# KiCad board coils_12_35_10_8_layer.kicad_pcb (continued)
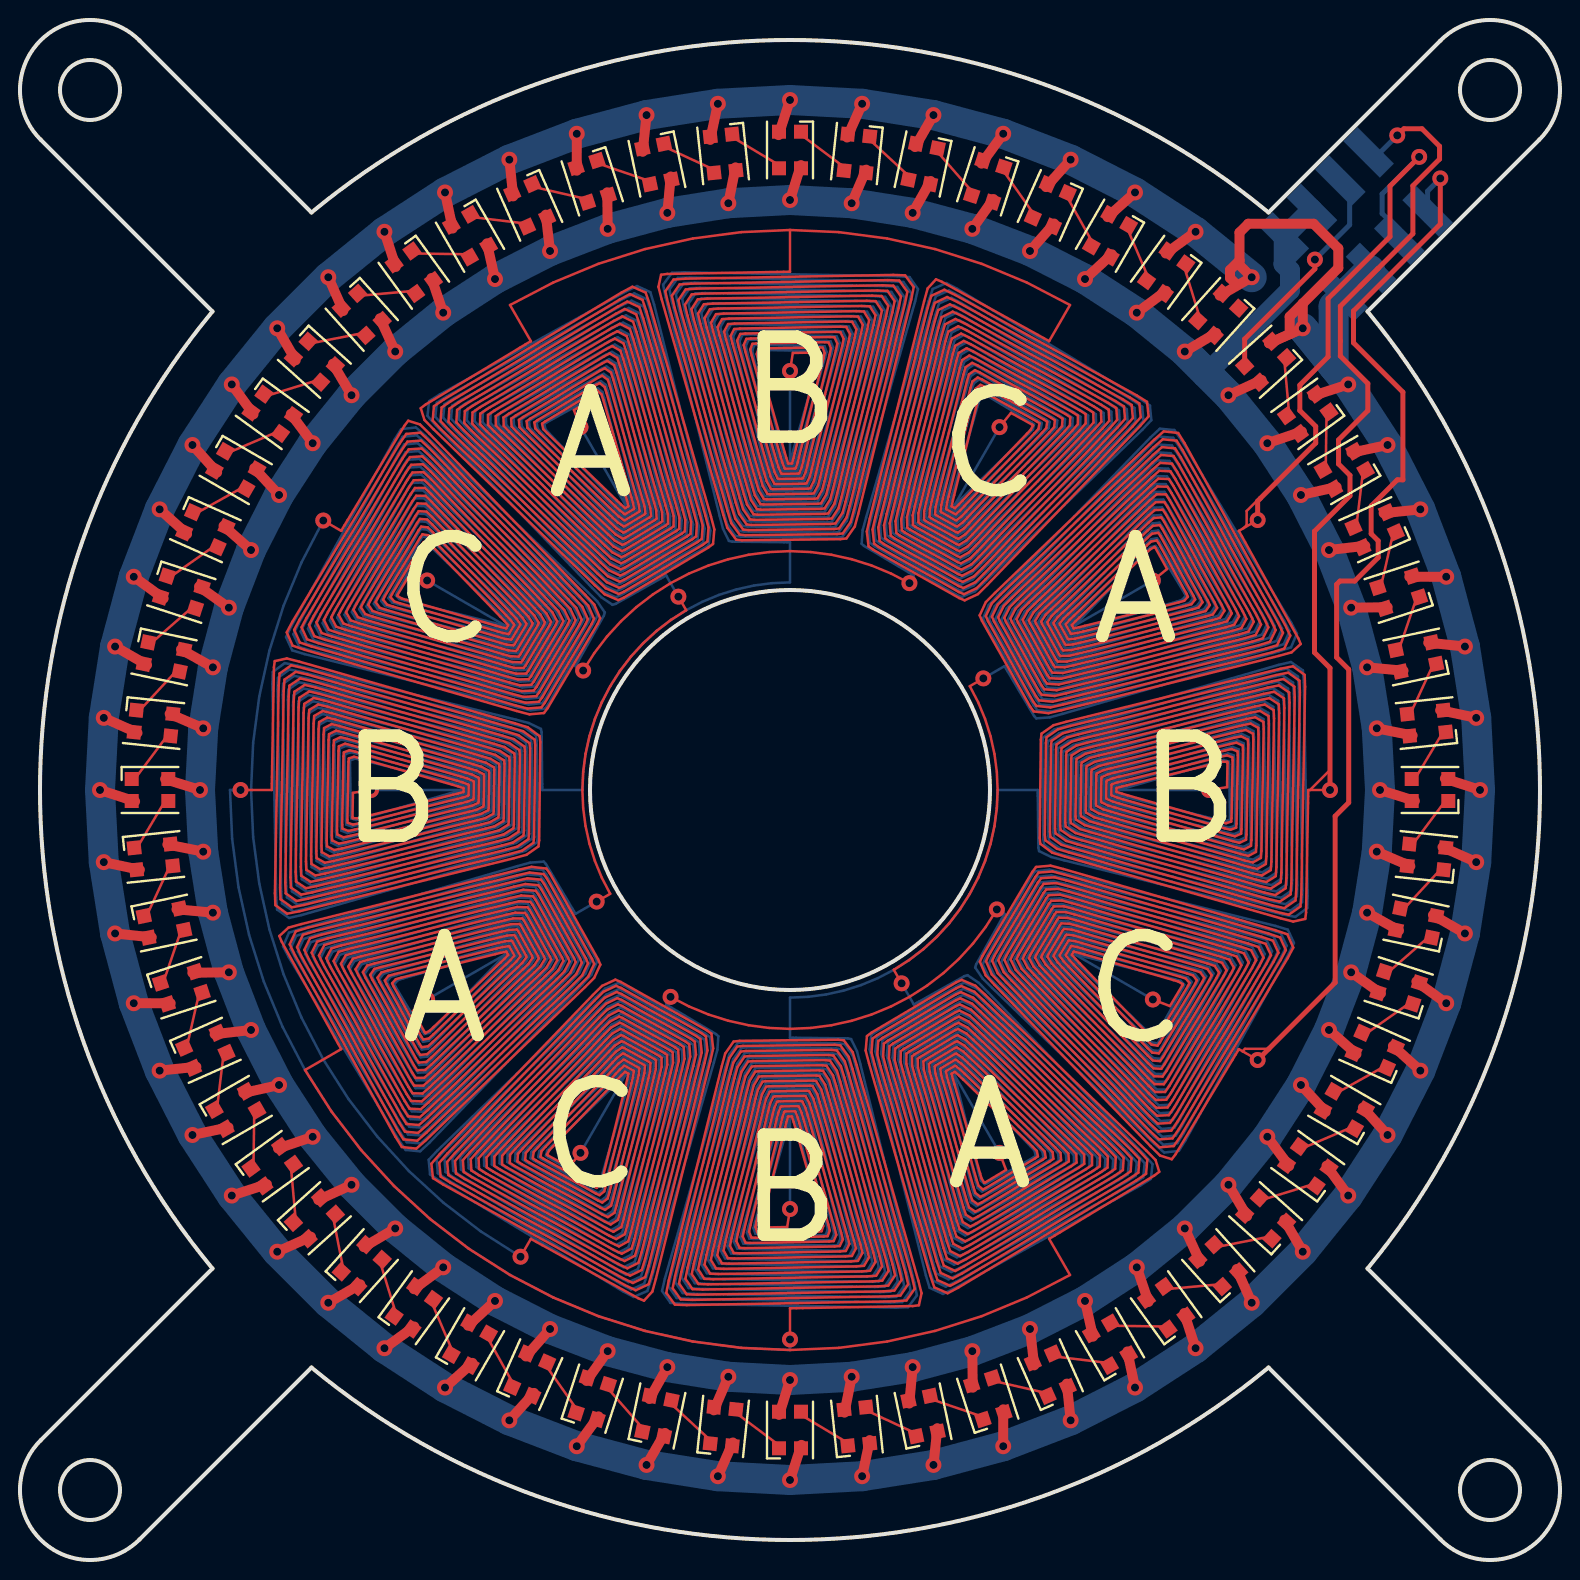
[diagram p0: board, top side]
## Routing (per net, layer and track width the routed paths; a pad name or vN(x,y) marks a point on that pad's centre or on a via; arc(x,y) is an arc through that point)
GND: length 351
  Top w0.5: 60.84,14.55 v1(61.59,12.86) ; 71.13,35.65 v1(72.81,34.89) ; 60.97,64.97 60.5,64.5 60.5,64.1 60.79,63.81 ; 60.97,64.97 60.97,64.75 v1(61.59,64.14) 59.99,63.22 ; 60.97,64.97 60.97,66.37 61.41,66.81 64.68,66.81 65.92,65.58 65.92,64.6 64.16,62.84 ; 6.35,44.75 v1(4.75,45.67) ; 71.25,39.07 v1(73,38.5) ; 34.51,71.01 v1(34.89,72.81) ; 22.62,9.86 v1(21.25,8.62) ; 25.7,8.35 v1(24.47,6.98) ; 63.48,61.29 63.48,62.17 64.16,62.84 ; 63.48,61.29 62.45,60.84 v1(64.14,61.59) ; 63.48,61.29 v1(64.14,61.59) ; 52.34,8.82 v1(52.53,6.98) ; 6.59,31.13 v1(4.75,31.33) ; 37.93,71.25 v1(38.5,73) ; 70.41,45.87 v1(72.25,45.67) ; 10.43,21.63 v1(8.62,21.25) ; 70.65,32.25 v1(72.25,31.33) ; 9.86,54.38 v1(8.62,55.75) ; 32.25,6.35 v1(31.33,4.75) ; 71.01,42.49 v1(72.81,42.11) ; v1(64.14,61.59) 64.14,62.82 64.16,62.84 ; 5.75,37.93 v1(4,38.5) ; 69.82,28.92 v1(71.31,27.84) ; 8.82,24.66 v1(6.98,24.47) ; 68.65,25.7 v1(70.02,24.47) ; 44.75,70.65 v1(45.67,72.25) ; 35.65,5.87 v1(34.89,4.19) ; 48.08,69.82 v1(49.16,71.31) ; 16.16,62.45 v1(15.41,64.14) ; 11.67,57.28 v1(10.59,58.78) ; 17.01,13.78 v1(15.41,12.86) ; 55.37,10.43 v1(55.75,8.62) ; 41.35,71.13 v1(42.11,72.81) ; 49.16,7.53 v1(49.16,5.69) ; 5.87,41.35 v1(4.19,42.11) ; 67.14,22.62 v1(68.38,21.25) ; 45.87,6.59 v1(45.67,4.75) ; 54.38,67.14 v1(55.75,68.38) ; 31.13,70.41 v1(31.33,72.25) ; 5.99,34.51 v1(4.19,34.89) ; 63.22,17.01 v1(64.14,15.41) ; 42.49,5.99 v1(42.11,4.19) ; 28.92,7.18 v1(27.84,5.69) ; 19.72,11.67 v1(18.22,10.59) ; 57.28,65.33 v1(58.78,66.41) ; 13.78,59.99 v1(12.86,61.59) ; 51.3,68.65 v1(52.53,70.02) ; 58.21,12.34 v1(58.78,10.59) ; 7.53,27.84 v1(5.69,27.84) ; 39.07,5.75 v1(38.5,4) ; 27.84,69.47 v1(27.84,71.31) ; 14.55,16.16 v1(12.86,15.41) ; 8.35,51.3 v1(6.98,52.53) ; 66.57,55.37 v1(68.38,55.75) ; 64.66,58.21 v1(66.41,58.78) ; 21.63,66.57 v1(21.25,68.38) ; 65.33,19.72 v1(66.41,18.22) ; 24.66,68.18 v1(24.47,70.02) ; 68.18,52.34 v1(70.02,52.53) ; 12.34,18.79 v1(10.59,18.22) ; 18.79,64.66 v1(18.22,66.41) ; 7.18,48.08 v1(5.69,49.16) ; 69.47,49.16 v1(71.31,49.16)
  Bottom w1.5: v1(66.41,58.78) v1(68.38,55.75) v1(70.02,52.53) v1(71.31,49.16) v1(72.25,45.67) v1(72.81,42.11) v1(73,38.5) v1(72.81,34.89) v1(72.25,31.33) v1(71.31,27.84) v1(70.02,24.47) v1(68.38,21.25) v1(66.41,18.22) v1(64.14,15.41) v1(61.59,12.86) v1(58.78,10.59) v1(55.75,8.62) v1(52.53,6.98) v1(49.16,5.69) v1(45.67,4.75) v1(42.11,4.19) v1(38.5,4) v1(34.89,4.19) v1(31.33,4.75) v1(27.84,5.69) v1(24.47,6.98) v1(21.25,8.62) v1(18.22,10.59) v1(15.41,12.86) v1(12.86,15.41) v1(10.59,18.22) v1(8.62,21.25) v1(6.98,24.47) v1(5.69,27.84) v1(4.75,31.33) v1(4.19,34.89) v1(4,38.5) v1(4.19,42.11) v1(4.75,45.67) v1(5.69,49.16) v1(6.98,52.53) v1(8.62,55.75) v1(10.59,58.78) v1(12.86,61.59) v1(15.41,64.14) v1(18.22,66.41) v1(21.25,68.38) v1(24.47,70.02) v1(27.84,71.31) v1(31.33,72.25) v1(34.89,72.81) v1(38.5,73) v1(42.11,72.81) v1(45.67,72.25) v1(49.16,71.31) v1(52.53,70.02) v1(55.75,68.38) v1(58.78,66.41) v1(61.59,64.14) ; v1(66.41,58.78) 65.68,59.68 ; v1(66.41,58.78) v1(64.14,61.59) 65.68,59.68 ; 65.68,59.68 65.68,62.68 67.5,64.5
coils: length 47642.8
  Top w0.127: v1(25.03,15.16) 25.54,16.06 30.91,13.09 31.2,12.97 31.62,13.42 31.79,14.05 34.51,24.93 34.66,25.58 34.57,26.32 34.33,26.49 30.04,28.9 29.77,29.02 29.11,28.71 28.64,28.25 20.99,20.3 20.57,19.81 20.65,19.09 21.16,18.77 30.24,13.75 30.78,13.49 31.43,13.79 31.61,14.39 34.23,24.85 34.37,25.48 34.29,26.18 34.07,26.35 30.06,28.6 29.8,28.71 29.17,28.41 28.73,27.97 21.37,20.32 20.96,19.86 21.03,19.17 21.52,18.87 30.13,14.1 30.64,13.85 31.26,14.15 31.44,14.72 33.95,24.78 34.09,25.37 34.02,26.05 33.81,26.2 30.07,28.3 29.83,28.4 29.23,28.11 28.81,27.69 21.75,20.35 21.36,19.9 21.42,19.25 21.87,18.96 30.02,14.45 30.5,14.22 31.09,14.5 31.26,15.05 33.67,24.7 33.8,25.27 33.74,25.91 33.55,26.06 30.09,28 29.86,28.09 29.3,27.81 28.89,27.4 22.12,20.37 21.75,19.95 21.8,19.32 22.23,19.05 29.91,14.8 30.36,14.58 30.92,14.86 31.08,15.39 33.39,24.62 33.51,25.17 33.46,25.78 33.28,25.91 30.1,27.7 29.9,27.79 29.36,27.51 28.97,27.12 22.5,20.4 22.14,19.99 22.18,19.4 22.59,19.14 29.8,15.16 30.23,14.95 30.75,15.22 30.9,15.72 33.11,24.54 33.23,25.06 33.19,25.65 33.02,25.77 30.12,27.4 29.93,27.48 29.42,27.21 29.05,26.84 22.88,20.43 22.54,20.04 22.57,19.48 22.94,19.24 29.69,15.51 30.09,15.31 30.58,15.57 30.72,16.06 32.82,24.46 32.94,24.96 32.91,25.51 32.76,25.62 30.13,27.1 29.96,27.17 29.49,26.91 29.13,26.56 23.26,20.45 22.93,20.08 22.95,19.55 23.3,19.33 29.57,15.86 29.95,15.68 30.41,15.93 30.54,16.39 32.54,24.39 32.65,24.86 32.63,25.38 32.5,25.48 30.15,26.8 29.99,26.86 29.55,26.61 29.21,26.28 23.63,20.48 23.32,20.13 23.34,19.63 23.66,19.42 29.46,16.21 29.81,16.05 30.24,16.29 30.37,16.72 32.26,24.31 32.37,24.76 32.36,25.24 32.24,25.33 30.16,26.5 30.02,26.56 29.61,26.32 29.3,26 24.01,20.51 23.72,20.17 23.72,19.7 24.02,19.51 29.35,16.56 29.67,16.41 30.07,16.65 30.19,17.06 31.98,24.23 32.08,24.65 32.08,25.11 31.98,25.19 30.17,26.2 30.05,26.25 29.68,26.02 29.38,25.72 24.39,20.53 24.11,20.22 24.1,19.78 24.37,19.61 29.24,16.91 29.53,16.78 29.89,17 30.01,17.39 31.7,24.15 31.79,24.55 31.8,24.97 31.72,25.05 30.19,25.9 30.08,25.94 29.74,25.72 29.46,25.43 24.77,20.56 24.5,20.26 24.49,19.86 24.73,19.7 29.13,17.27 29.39,17.14 29.72,17.36 29.83,17.73 31.42,24.07 31.51,24.45 31.53,24.84 31.46,24.9 30.2,25.61 30.12,25.63 29.8,25.42 29.54,25.15 25.14,20.58 24.9,20.31 24.87,19.93 25.09,19.79 29.02,17.62 29.25,17.51 29.55,17.72 29.65,18.06 31.14,24 31.22,24.35 31.25,24.71 31.2,24.76 30.22,25.31 30.15,25.33 29.87,25.12 29.62,24.87 25.52,20.61 25.29,20.35 25.26,20.01 25.45,19.88 28.91,17.97 29.11,17.87 29.38,18.08 29.47,18.39 30.86,23.92 30.93,24.24 30.97,24.57 30.93,24.61 30.23,25.01 30.18,25.02 29.93,24.82 29.7,24.59 25.9,20.64 25.68,20.4 25.64,20.09 25.8,19.98 28.79,18.32 28.97,18.24 29.21,18.43 29.3,18.73 30.57,23.84 30.65,24.14 30.69,24.44 30.67,24.47 30.25,24.71 30.21,24.71 29.99,24.52 29.78,24.31 26.28,20.66 26.08,20.44 26.02,20.16 26.16,20.07 28.68,18.67 28.84,18.61 29.04,18.79 29.12,19.06 30.29,23.76 30.36,24.04 30.42,24.3 30.41,24.32 30.26,24.41 30.24,24.4 30.06,24.22 29.87,24.03 26.65,20.69 26.47,20.49 26.35,20.27 26.4,20.23 27.45,19.65 v1(28.03,20.36) ; v1(20.36,48.98) 19.5,49.3 18.88,48.27 18.86,48.21 19.08,48.08 19.33,48 23.79,46.72 24.05,46.64 24.3,46.58 24.32,46.58 24.41,46.73 24.4,46.75 24.22,46.96 24.02,47.16 20.66,50.64 20.45,50.84 20.18,50.9 20.09,50.76 18.6,48.29 18.53,48.14 18.71,47.93 18.99,47.84 23.86,46.43 24.14,46.35 24.43,46.3 24.46,46.32 24.71,46.74 24.71,46.78 24.52,47.01 24.31,47.23 20.64,51.02 20.42,51.23 20.12,51.28 20.01,51.12 18.24,48.19 18.16,48.02 18.35,47.77 18.65,47.67 23.93,46.15 24.24,46.06 24.55,46.02 24.59,46.05 25,46.75 25.02,46.8 24.82,47.06 24.59,47.31 20.63,51.4 20.39,51.63 20.06,51.67 19.93,51.48 17.89,48.09 17.78,47.89 17.99,47.61 18.31,47.5 24,45.86 24.33,45.77 24.68,45.73 24.73,45.79 25.3,46.75 25.32,46.82 25.12,47.12 24.87,47.38 20.62,51.78 20.36,52.02 20,52.06 19.85,51.84 17.53,48 17.41,47.76 17.62,47.45 17.97,47.34 24.07,45.58 24.43,45.48 24.81,45.45 24.87,45.52 25.6,46.76 25.63,46.84 25.42,47.17 25.15,47.45 20.6,52.16 20.33,52.42 19.93,52.44 19.77,52.2 17.18,47.9 17.04,47.64 17.26,47.3 17.63,47.17 24.14,45.29 24.52,45.19 24.93,45.17 25,45.25 25.9,46.76 25.94,46.87 25.72,47.23 25.44,47.53 20.59,52.53 20.3,52.81 19.87,52.83 19.69,52.56 16.82,47.8 16.67,47.51 16.9,47.14 17.29,47.01 24.21,45.01 24.62,44.9 25.06,44.89 25.14,44.99 26.2,46.77 26.24,46.89 26.02,47.28 25.72,47.6 20.58,52.91 20.27,53.21 19.81,53.21 19.61,52.92 16.46,47.7 16.3,47.39 16.53,46.98 16.95,46.84 24.28,44.73 24.71,44.61 25.18,44.6 25.28,44.72 26.5,46.77 26.55,46.91 26.32,47.34 26,47.67 20.57,53.29 20.24,53.6 19.75,53.6 19.53,53.28 16.11,47.6 15.93,47.26 16.17,46.82 16.61,46.67 24.35,44.44 24.81,44.32 25.31,44.32 25.42,44.45 26.79,46.78 26.86,46.93 26.62,47.39 26.28,47.74 20.55,53.67 20.21,54 19.68,53.99 19.45,53.64 15.75,47.5 15.56,47.14 15.81,46.66 16.27,46.51 24.42,44.16 24.9,44.03 25.44,44.04 25.55,44.19 27.09,46.78 27.16,46.95 26.92,47.44 26.57,47.82 20.54,54.05 20.18,54.39 19.62,54.37 19.37,54 15.4,47.4 15.19,47.01 15.45,46.51 15.93,46.34 24.49,43.87 24.99,43.74 25.56,43.76 25.69,43.92 27.39,46.79 27.47,46.98 27.21,47.5 26.85,47.89 20.53,54.43 20.15,54.79 19.56,54.76 19.29,54.37 15.04,47.31 14.82,46.88 15.08,46.35 15.59,46.17 24.56,43.59 25.09,43.45 25.69,43.48 25.83,43.65 27.69,46.79 27.78,47 27.51,47.55 27.13,47.96 20.52,54.8 20.12,55.18 19.5,55.15 19.21,54.73 14.69,47.21 14.45,46.76 14.72,46.19 15.25,46.01 24.63,43.3 25.18,43.15 25.82,43.19 25.97,43.39 27.99,46.8 28.09,47.02 27.81,47.61 27.41,48.04 20.5,55.18 20.08,55.58 19.43,55.53 19.13,55.09 14.33,47.11 14.08,46.63 14.36,46.03 14.91,45.84 24.7,43.02 25.28,42.86 25.94,42.91 26.1,43.12 28.29,46.8 28.39,47.04 28.11,47.66 27.7,48.11 20.49,55.56 20.05,55.97 19.37,55.92 19.05,55.45 13.97,47.01 13.71,46.51 13.99,45.87 14.57,45.68 24.77,42.73 25.37,42.57 26.07,42.63 26.24,42.85 28.58,46.81 28.7,47.06 28.41,47.72 27.98,48.18 20.48,55.94 20.02,56.37 19.31,56.3 18.97,55.81 13.62,46.91 13.34,46.38 13.63,45.72 14.23,45.51 24.84,42.45 25.47,42.28 26.2,42.35 26.38,42.59 28.88,46.81 29.01,47.09 28.71,47.77 28.26,48.26 20.47,56.32 20,56.78 19.41,56.96 19.22,56.71 16.06,51.46 v1(15.16,51.97) ; 62.02,53.08 61.96,53.08 61.33,52.45 61.33,51.74 61.19,51.6 ; v1(20.36,28.03) 19.65,27.45 20.23,26.4 20.27,26.35 20.49,26.47 20.69,26.65 24.03,29.87 24.22,30.06 24.4,30.24 24.41,30.26 24.32,30.41 24.3,30.42 24.04,30.36 23.76,30.29 19.06,29.12 18.79,29.04 18.61,28.84 18.67,28.68 20.07,26.16 20.16,26.02 20.44,26.08 20.66,26.28 24.31,29.78 24.52,29.99 24.71,30.21 24.71,30.25 24.47,30.67 24.44,30.69 24.14,30.65 23.84,30.57 18.73,29.3 18.43,29.21 18.24,28.97 18.32,28.79 19.98,25.8 20.09,25.64 20.4,25.68 20.64,25.9 24.59,29.7 24.82,29.93 25.02,30.18 25.01,30.23 24.61,30.93 24.57,30.97 24.24,30.93 23.92,30.86 18.39,29.47 18.08,29.38 17.87,29.11 17.97,28.91 19.88,25.45 20.01,25.26 20.35,25.29 20.61,25.52 24.87,29.62 25.12,29.87 25.33,30.15 25.31,30.22 24.76,31.2 24.71,31.25 24.35,31.22 24,31.14 18.06,29.65 17.72,29.55 17.51,29.25 17.62,29.02 19.79,25.09 19.93,24.87 20.31,24.9 20.58,25.14 25.15,29.54 25.42,29.8 25.63,30.12 25.61,30.2 24.9,31.46 24.84,31.53 24.45,31.51 24.07,31.42 17.73,29.83 17.36,29.72 17.14,29.39 17.27,29.13 19.7,24.73 19.86,24.49 20.26,24.5 20.56,24.77 25.43,29.46 25.72,29.74 25.94,30.08 25.9,30.19 25.05,31.72 24.97,31.8 24.55,31.79 24.15,31.7 17.39,30.01 17,29.89 16.78,29.53 16.91,29.24 19.61,24.37 19.78,24.1 20.22,24.11 20.53,24.39 25.72,29.38 26.02,29.68 26.25,30.05 26.2,30.17 25.19,31.98 25.11,32.08 24.65,32.08 24.23,31.98 17.06,30.19 16.65,30.07 16.41,29.67 16.56,29.35 19.51,24.02 19.7,23.72 20.17,23.72 20.51,24.01 26,29.3 26.32,29.61 26.56,30.02 26.5,30.16 25.33,32.24 25.24,32.36 24.76,32.37 24.31,32.26 16.72,30.37 16.29,30.24 16.05,29.81 16.21,29.46 19.42,23.66 19.63,23.34 20.13,23.32 20.48,23.63 26.28,29.21 26.61,29.55 26.86,29.99 26.8,30.15 25.48,32.5 25.38,32.63 24.86,32.65 24.39,32.54 16.39,30.54 15.93,30.41 15.68,29.95 15.86,29.57 19.33,23.3 19.55,22.95 20.08,22.93 20.45,23.26 26.56,29.13 26.91,29.49 27.17,29.96 27.1,30.13 25.62,32.76 25.51,32.91 24.96,32.94 24.46,32.82 16.06,30.72 15.57,30.58 15.31,30.09 15.51,29.69 19.24,22.94 19.48,22.57 20.04,22.54 20.43,22.88 26.84,29.05 27.21,29.42 27.48,29.93 27.4,30.12 25.77,33.02 25.65,33.19 25.06,33.23 24.54,33.11 15.72,30.9 15.22,30.75 14.95,30.23 15.16,29.8 19.14,22.59 19.4,22.18 19.99,22.14 20.4,22.5 27.12,28.97 27.51,29.36 27.79,29.9 27.7,30.1 25.91,33.28 25.78,33.46 25.17,33.51 24.62,33.39 15.39,31.08 14.86,30.92 14.58,30.36 14.8,29.91 19.05,22.23 19.32,21.8 19.95,21.75 20.37,22.12 27.4,28.89 27.81,29.3 28.09,29.86 28,30.09 26.06,33.55 25.91,33.74 25.27,33.8 24.7,33.67 15.05,31.26 14.5,31.09 14.22,30.5 14.45,30.02 18.96,21.87 19.25,21.42 19.9,21.36 20.35,21.75 27.69,28.81 28.11,29.23 28.4,29.83 28.3,30.07 26.2,33.81 26.05,34.02 25.37,34.09 24.78,33.95 14.72,31.44 14.15,31.26 13.85,30.64 14.1,30.13 18.87,21.52 19.17,21.03 19.86,20.96 20.32,21.37 27.97,28.73 28.41,29.17 28.71,29.8 28.6,30.06 26.35,34.07 26.18,34.29 25.48,34.37 24.85,34.23 14.39,31.61 13.79,31.43 13.49,30.78 13.75,30.24 18.77,21.16 19.09,20.65 19.81,20.57 20.3,20.99 28.25,28.64 28.71,29.11 29.02,29.77 28.9,30.04 26.49,34.33 26.32,34.57 25.58,34.66 24.93,34.51 14.05,31.79 13.42,31.62 12.97,31.2 13.09,30.91 16.06,25.54 14.25,24.5 15.56,22.44 17.05,20.5 18.7,18.7 20.5,17.05 22.44,15.56 24.5,14.25 26.67,13.12 28.92,12.19 31.25,11.45 33.64,10.93 36.06,10.61 38.5,10.5 40.94,10.61 43.36,10.93 45.75,11.45 48.08,12.19 50.33,13.12 52.5,14.25 51.46,16.06 56.71,19.22 56.96,19.41 56.78,20 56.32,20.47 48.26,28.26 47.77,28.71 47.09,29.01 46.81,28.88 42.59,26.38 42.35,26.2 42.28,25.47 42.45,24.84 45.51,14.23 45.72,13.63 46.38,13.34 46.91,13.62 55.81,18.97 56.3,19.31 56.37,20.02 55.94,20.48 48.18,27.98 47.72,28.41 47.06,28.7 46.81,28.58 42.85,26.24 42.63,26.07 42.57,25.37 42.73,24.77 45.68,14.57 45.87,13.99 46.51,13.71 47.01,13.97 55.45,19.05 55.92,19.37 55.97,20.05 55.56,20.49 48.11,27.7 47.66,28.11 47.04,28.39 46.8,28.29 43.12,26.1 42.91,25.94 42.86,25.28 43.02,24.7 45.84,14.91 46.03,14.36 46.63,14.08 47.11,14.33 55.09,19.13 55.53,19.43 55.58,20.08 55.18,20.5 48.04,27.41 47.61,27.81 47.02,28.09 46.8,27.99 43.39,25.97 43.19,25.82 43.15,25.18 43.3,24.63 46.01,15.25 46.19,14.72 46.76,14.45 47.21,14.69 54.73,19.21 55.15,19.5 55.18,20.12 54.8,20.52 47.96,27.13 47.55,27.51 47,27.78 46.79,27.69 43.65,25.83 43.48,25.69 43.45,25.09 43.59,24.56 46.17,15.59 46.35,15.08 46.88,14.82 47.31,15.04 54.37,19.29 54.76,19.56 54.79,20.15 54.43,20.53 47.89,26.85 47.5,27.21 46.98,27.47 46.79,27.39 43.92,25.69 43.76,25.56 43.74,24.99 43.87,24.49 46.34,15.93 46.51,15.45 47.01,15.19 47.4,15.4 54,19.37 54.37,19.62 54.39,20.18 54.05,20.54 47.82,26.57 47.44,26.92 46.95,27.16 46.78,27.09 44.19,25.55 44.04,25.44 44.03,24.9 44.16,24.42 46.51,16.27 46.66,15.81 47.14,15.56 47.5,15.75 53.64,19.45 53.99,19.68 54,20.21 53.67,20.55 47.74,26.28 47.39,26.62 46.93,26.86 46.78,26.79 44.45,25.42 44.32,25.31 44.32,24.81 44.44,24.35 46.67,16.61 46.82,16.17 47.26,15.93 47.6,16.11 53.28,19.53 53.6,19.75 53.6,20.24 53.29,20.57 47.67,26 47.34,26.32 46.91,26.55 46.77,26.5 44.72,25.28 44.6,25.18 44.61,24.71 44.73,24.28 46.84,16.95 46.98,16.53 47.39,16.3 47.7,16.46 52.92,19.61 53.21,19.81 53.21,20.27 52.91,20.58 47.6,25.72 47.28,26.02 46.89,26.24 46.77,26.2 44.99,25.14 44.89,25.06 44.9,24.62 45.01,24.21 47.01,17.29 47.14,16.9 47.51,16.67 47.8,16.82 52.56,19.69 52.83,19.87 52.81,20.3 52.53,20.59 47.53,25.44 47.23,25.72 46.87,25.94 46.76,25.9 45.25,25 45.17,24.93 45.19,24.52 45.29,24.14 47.17,17.63 47.3,17.26 47.64,17.04 47.9,17.18 52.2,19.77 52.44,19.93 52.42,20.33 52.16,20.6 47.45,25.15 47.17,25.42 46.84,25.63 46.76,25.6 45.52,24.87 45.45,24.81 45.48,24.43 45.58,24.07 47.34,17.97 47.45,17.62 47.76,17.41 48,17.53 51.84,19.85 52.06,20 52.02,20.36 51.78,20.62 47.38,24.87 47.12,25.12 46.82,25.32 46.75,25.3 45.79,24.73 45.73,24.68 45.77,24.33 45.86,24 47.5,18.31 47.61,17.99 47.89,17.78 48.09,17.89 51.48,19.93 51.67,20.06 51.63,20.39 51.4,20.63 47.31,24.59 47.06,24.82 46.8,25.02 46.75,25 46.05,24.59 46.02,24.55 46.06,24.24 46.15,23.93 47.67,18.65 47.77,18.35 48.02,18.16 48.19,18.24 51.12,20.01 51.28,20.12 51.23,20.42 51.02,20.64 47.23,24.31 47.01,24.52 46.78,24.71 46.74,24.71 46.32,24.46 46.3,24.43 46.35,24.14 46.43,23.86 47.84,18.99 47.93,18.71 48.14,18.53 48.29,18.6 50.76,20.09 50.9,20.18 50.84,20.45 50.64,20.66 47.16,24.02 46.96,24.22 46.75,24.4 46.73,24.41 46.58,24.32 46.58,24.3 46.64,24.05 46.72,23.79 48,19.33 48.08,19.08 48.21,18.86 48.27,18.88 49.3,19.5 v1(48.98,20.36) ; v1(38.5,17.55) 38.36,16.65 37.16,16.63 37.09,16.64 37.09,16.89 37.15,17.15 38.26,21.65 38.33,21.91 38.4,22.16 38.41,22.18 38.59,22.18 38.6,22.16 38.68,21.91 38.76,21.63 40.09,16.97 40.16,16.7 40.08,16.44 39.91,16.42 37.03,16.37 36.86,16.38 36.77,16.65 36.83,16.94 38.05,21.85 38.12,22.14 38.22,22.41 38.25,22.43 38.74,22.43 38.77,22.42 38.88,22.14 38.97,21.84 40.42,16.77 40.49,16.48 40.38,16.19 40.18,16.17 36.77,16.11 36.57,16.12 36.45,16.42 36.52,16.73 37.84,22.05 37.92,22.37 38.03,22.66 38.09,22.68 38.89,22.69 38.94,22.67 39.08,22.37 39.17,22.05 40.74,16.57 40.82,16.25 40.68,15.94 40.46,15.92 36.5,15.85 36.27,15.87 36.13,16.18 36.2,16.52 37.63,22.26 37.71,22.59 37.85,22.91 37.92,22.93 39.05,22.95 39.12,22.93 39.27,22.6 39.38,22.26 41.06,16.37 41.14,16.03 40.99,15.7 40.73,15.67 36.24,15.59 35.98,15.61 35.82,15.94 35.89,16.31 37.41,22.46 37.51,22.82 37.67,23.16 37.76,23.18 39.2,23.2 39.29,23.18 39.47,22.83 39.58,22.47 41.38,16.17 41.47,15.8 41.29,15.45 41,15.43 35.98,15.33 35.69,15.35 35.5,15.71 35.58,16.09 37.2,22.66 37.3,23.05 37.49,23.42 37.6,23.44 39.35,23.46 39.46,23.44 39.67,23.07 39.78,22.67 41.7,15.97 41.8,15.58 41.59,15.2 41.27,15.18 35.71,15.08 35.39,15.09 35.18,15.47 35.26,15.88 36.99,22.87 37.1,23.28 37.31,23.67 37.44,23.69 39.51,23.71 39.64,23.69 39.86,23.3 39.99,22.88 42.02,15.77 42.12,15.36 41.9,14.96 41.55,14.93 35.45,14.82 35.1,14.83 34.86,15.24 34.95,15.67 36.78,23.07 36.9,23.5 37.13,23.92 37.28,23.94 39.66,23.97 39.81,23.95 40.06,23.53 40.19,23.09 42.34,15.57 42.45,15.13 42.2,14.71 41.82,14.68 35.19,14.56 34.8,14.57 34.54,15 34.64,15.46 36.57,23.27 36.69,23.73 36.95,24.17 37.11,24.19 39.82,24.22 39.98,24.2 40.26,23.76 40.4,23.3 42.66,15.37 42.78,14.91 42.5,14.46 42.09,14.43 34.92,14.3 34.51,14.32 34.22,14.77 34.32,15.25 36.36,23.48 36.49,23.96 36.77,24.42 36.95,24.45 39.97,24.48 40.15,24.46 40.45,24 40.6,23.51 42.99,15.17 43.1,14.68 42.81,14.21 42.36,14.18 34.66,14.04 34.21,14.06 33.91,14.53 34.01,15.04 36.15,23.68 36.28,24.19 36.59,24.67 36.79,24.7 40.12,24.74 40.33,24.71 40.65,24.23 40.81,23.72 43.31,14.97 43.43,14.46 43.11,13.97 42.63,13.93 34.4,13.78 33.92,13.8 33.59,14.3 33.69,14.83 35.93,23.88 36.08,24.41 36.4,24.92 36.63,24.95 40.28,24.99 40.5,24.97 40.85,24.46 41.01,23.92 43.63,14.77 43.76,14.24 43.41,13.72 42.91,13.68 34.13,13.52 33.63,13.54 33.27,14.06 33.38,14.61 35.72,24.09 35.87,24.64 36.22,25.17 36.46,25.2 40.43,25.25 40.67,25.22 41.04,24.69 41.22,24.13 43.95,14.57 44.08,14.01 43.72,13.47 43.18,13.43 33.87,13.26 33.33,13.28 32.95,13.82 33.07,14.4 35.51,24.29 35.67,24.87 36.04,25.42 36.3,25.45 40.58,25.5 40.84,25.48 41.24,24.92 41.42,24.34 44.27,14.37 44.41,13.79 44.02,13.23 43.45,13.18 33.61,13.01 33.04,13.03 32.63,13.59 32.75,14.19 35.3,24.49 35.46,25.1 35.86,25.67 36.14,25.71 40.74,25.76 41.02,25.73 41.44,25.16 41.63,24.55 44.59,14.17 44.73,13.56 44.32,12.98 43.72,12.93 33.34,12.75 32.74,12.77 32.31,13.35 32.44,13.98 35.09,24.69 35.26,25.32 35.68,25.92 35.98,25.96 40.89,26.01 41.19,25.98 41.63,25.39 41.83,24.76 44.91,13.97 45.08,13.34 44.94,12.74 44.63,12.7 38.5,12.59 v1(38.5,11.03) ; 38.5,66.5 38.5,64.41 32.37,64.3 32.06,64.26 31.92,63.66 32.09,63.03 35.17,52.24 35.37,51.61 35.81,51.02 36.11,50.99 41.02,51.04 41.32,51.08 41.74,51.68 41.91,52.31 44.56,63.02 44.69,63.65 44.26,64.23 43.66,64.25 33.28,64.07 32.68,64.02 32.27,63.44 32.41,62.83 35.37,52.45 35.56,51.84 35.98,51.27 36.26,51.24 40.86,51.29 41.14,51.33 41.54,51.9 41.7,52.51 44.25,62.81 44.37,63.41 43.96,63.97 43.39,63.99 33.55,63.82 32.98,63.77 32.59,63.21 32.73,62.63 35.58,52.66 35.76,52.08 36.16,51.52 36.42,51.5 40.7,51.55 40.96,51.58 41.33,52.13 41.49,52.71 43.93,62.6 44.05,63.18 43.67,63.72 43.13,63.74 33.82,63.57 33.28,63.53 32.92,62.99 33.05,62.43 35.78,52.87 35.96,52.31 36.33,51.78 36.57,51.75 40.54,51.8 40.78,51.83 41.13,52.36 41.28,52.91 43.62,62.39 43.73,62.94 43.37,63.46 42.87,63.48 34.09,63.32 33.59,63.28 33.24,62.76 33.37,62.23 35.99,53.08 36.15,52.54 36.5,52.03 36.72,52.01 40.37,52.05 40.6,52.08 40.92,52.59 41.07,53.12 43.31,62.17 43.41,62.7 43.08,63.2 42.6,63.22 34.37,63.07 33.89,63.03 33.57,62.54 33.69,62.03 36.19,53.28 36.35,52.77 36.67,52.29 36.88,52.26 40.21,52.3 40.41,52.33 40.72,52.81 40.85,53.32 42.99,61.96 43.09,62.47 42.79,62.94 42.34,62.96 34.64,62.82 34.19,62.79 33.9,62.32 34.01,61.83 36.4,53.49 36.55,53 36.85,52.54 37.03,52.52 40.05,52.55 40.23,52.58 40.51,53.04 40.64,53.52 42.68,61.75 42.78,62.23 42.49,62.68 42.08,62.7 34.91,62.57 34.5,62.54 34.22,62.09 34.34,61.63 36.6,53.7 36.74,53.24 37.02,52.8 37.18,52.78 39.89,52.81 40.05,52.83 40.31,53.27 40.43,53.73 42.36,61.54 42.46,62 42.2,62.43 41.81,62.44 35.18,62.32 34.8,62.29 34.55,61.87 34.66,61.43 36.81,53.91 36.94,53.47 37.19,53.05 37.34,53.03 39.72,53.06 39.87,53.08 40.1,53.5 40.22,53.93 42.05,61.33 42.14,61.76 41.9,62.17 41.55,62.18 35.45,62.07 35.1,62.04 34.88,61.64 34.98,61.23 37.01,54.12 37.14,53.7 37.36,53.31 37.49,53.29 39.56,53.31 39.69,53.33 39.9,53.72 40.01,54.13 41.74,61.12 41.82,61.53 41.61,61.91 41.29,61.92 35.73,61.82 35.41,61.8 35.2,61.42 35.3,61.03 37.22,54.33 37.33,53.93 37.54,53.56 37.65,53.54 39.4,53.56 39.51,53.58 39.7,53.95 39.8,54.34 41.42,60.91 41.5,61.29 41.31,61.65 41.02,61.67 36,61.57 35.71,61.55 35.53,61.2 35.62,60.83 37.42,54.53 37.53,54.17 37.71,53.82 37.8,53.8 39.24,53.82 39.33,53.84 39.49,54.18 39.59,54.54 41.11,60.69 41.18,61.06 41.02,61.39 40.76,61.41 36.27,61.33 36.01,61.3 35.86,60.97 35.94,60.63 37.62,54.74 37.73,54.4 37.88,54.07 37.95,54.05 39.08,54.07 39.15,54.09 39.29,54.41 39.37,54.74 40.8,60.48 40.87,60.82 40.73,61.13 40.5,61.15 36.54,61.08 36.32,61.06 36.18,60.75 36.26,60.43 37.83,54.95 37.92,54.63 38.06,54.33 38.11,54.31 38.91,54.32 38.97,54.34 39.08,54.63 39.16,54.95 40.48,60.27 40.55,60.58 40.43,60.88 40.23,60.89 36.82,60.83 36.62,60.81 36.51,60.52 36.58,60.23 38.03,55.16 38.12,54.86 38.23,54.58 38.26,54.57 38.75,54.57 38.78,54.59 38.88,54.86 38.95,55.15 40.17,60.06 40.23,60.35 40.14,60.62 39.97,60.63 37.09,60.58 36.92,60.56 36.84,60.3 36.91,60.03 38.24,55.37 38.32,55.09 38.4,54.84 38.41,54.82 38.59,54.82 38.6,54.84 38.67,55.09 38.74,55.35 39.85,59.85 39.91,60.11 39.91,60.36 39.84,60.37 38.64,60.35 v1(38.5,59.45) ; 38.5,66.5 36.06,66.39 33.64,66.07 31.25,65.55 28.92,64.81 26.67,63.88 24.5,62.75 25.54,60.94 20.29,57.78 20.04,57.59 20.22,57 20.68,56.53 28.74,48.74 29.23,48.29 29.91,47.99 30.19,48.12 34.41,50.62 34.65,50.8 34.72,51.53 34.55,52.16 31.49,62.77 31.28,63.37 30.62,63.66 30.09,63.38 21.19,58.03 20.7,57.69 20.63,56.98 21.06,56.52 28.82,49.02 29.28,48.59 29.94,48.3 30.19,48.42 34.15,50.76 34.37,50.93 34.43,51.63 34.27,52.23 31.32,62.43 31.13,63.01 30.49,63.29 29.99,63.03 21.55,57.95 21.08,57.63 21.03,56.95 21.44,56.51 28.89,49.3 29.34,48.89 29.96,48.61 30.2,48.71 33.88,50.9 34.09,51.06 34.14,51.72 33.98,52.3 31.16,62.09 30.97,62.64 30.37,62.92 29.89,62.67 21.91,57.87 21.47,57.57 21.42,56.92 21.82,56.5 28.96,49.59 29.39,49.19 29.98,48.91 30.2,49.01 33.61,51.03 33.81,51.18 33.85,51.82 33.7,52.37 30.99,61.75 30.81,62.28 30.24,62.55 29.79,62.31 22.27,57.79 21.85,57.5 21.82,56.88 22.2,56.48 29.04,49.87 29.45,49.49 30,49.22 30.21,49.31 33.35,51.17 33.52,51.31 33.55,51.91 33.41,52.44 30.83,61.41 30.65,61.92 30.12,62.18 29.69,61.96 22.63,57.71 22.24,57.44 22.21,56.85 22.57,56.47 29.11,50.15 29.5,49.79 30.02,49.53 30.21,49.61 33.08,51.31 33.24,51.44 33.26,52.01 33.13,52.51 30.66,61.07 30.49,61.55 29.99,61.81 29.6,61.6 23,57.63 22.63,57.38 22.61,56.82 22.95,56.46 29.18,50.43 29.56,50.08 30.05,49.84 30.22,49.91 32.81,51.45 32.96,51.56 32.97,52.1 32.84,52.58 30.49,60.73 